# Altium PCB PCB.PcbDoc (part 2 of 4) (continued)
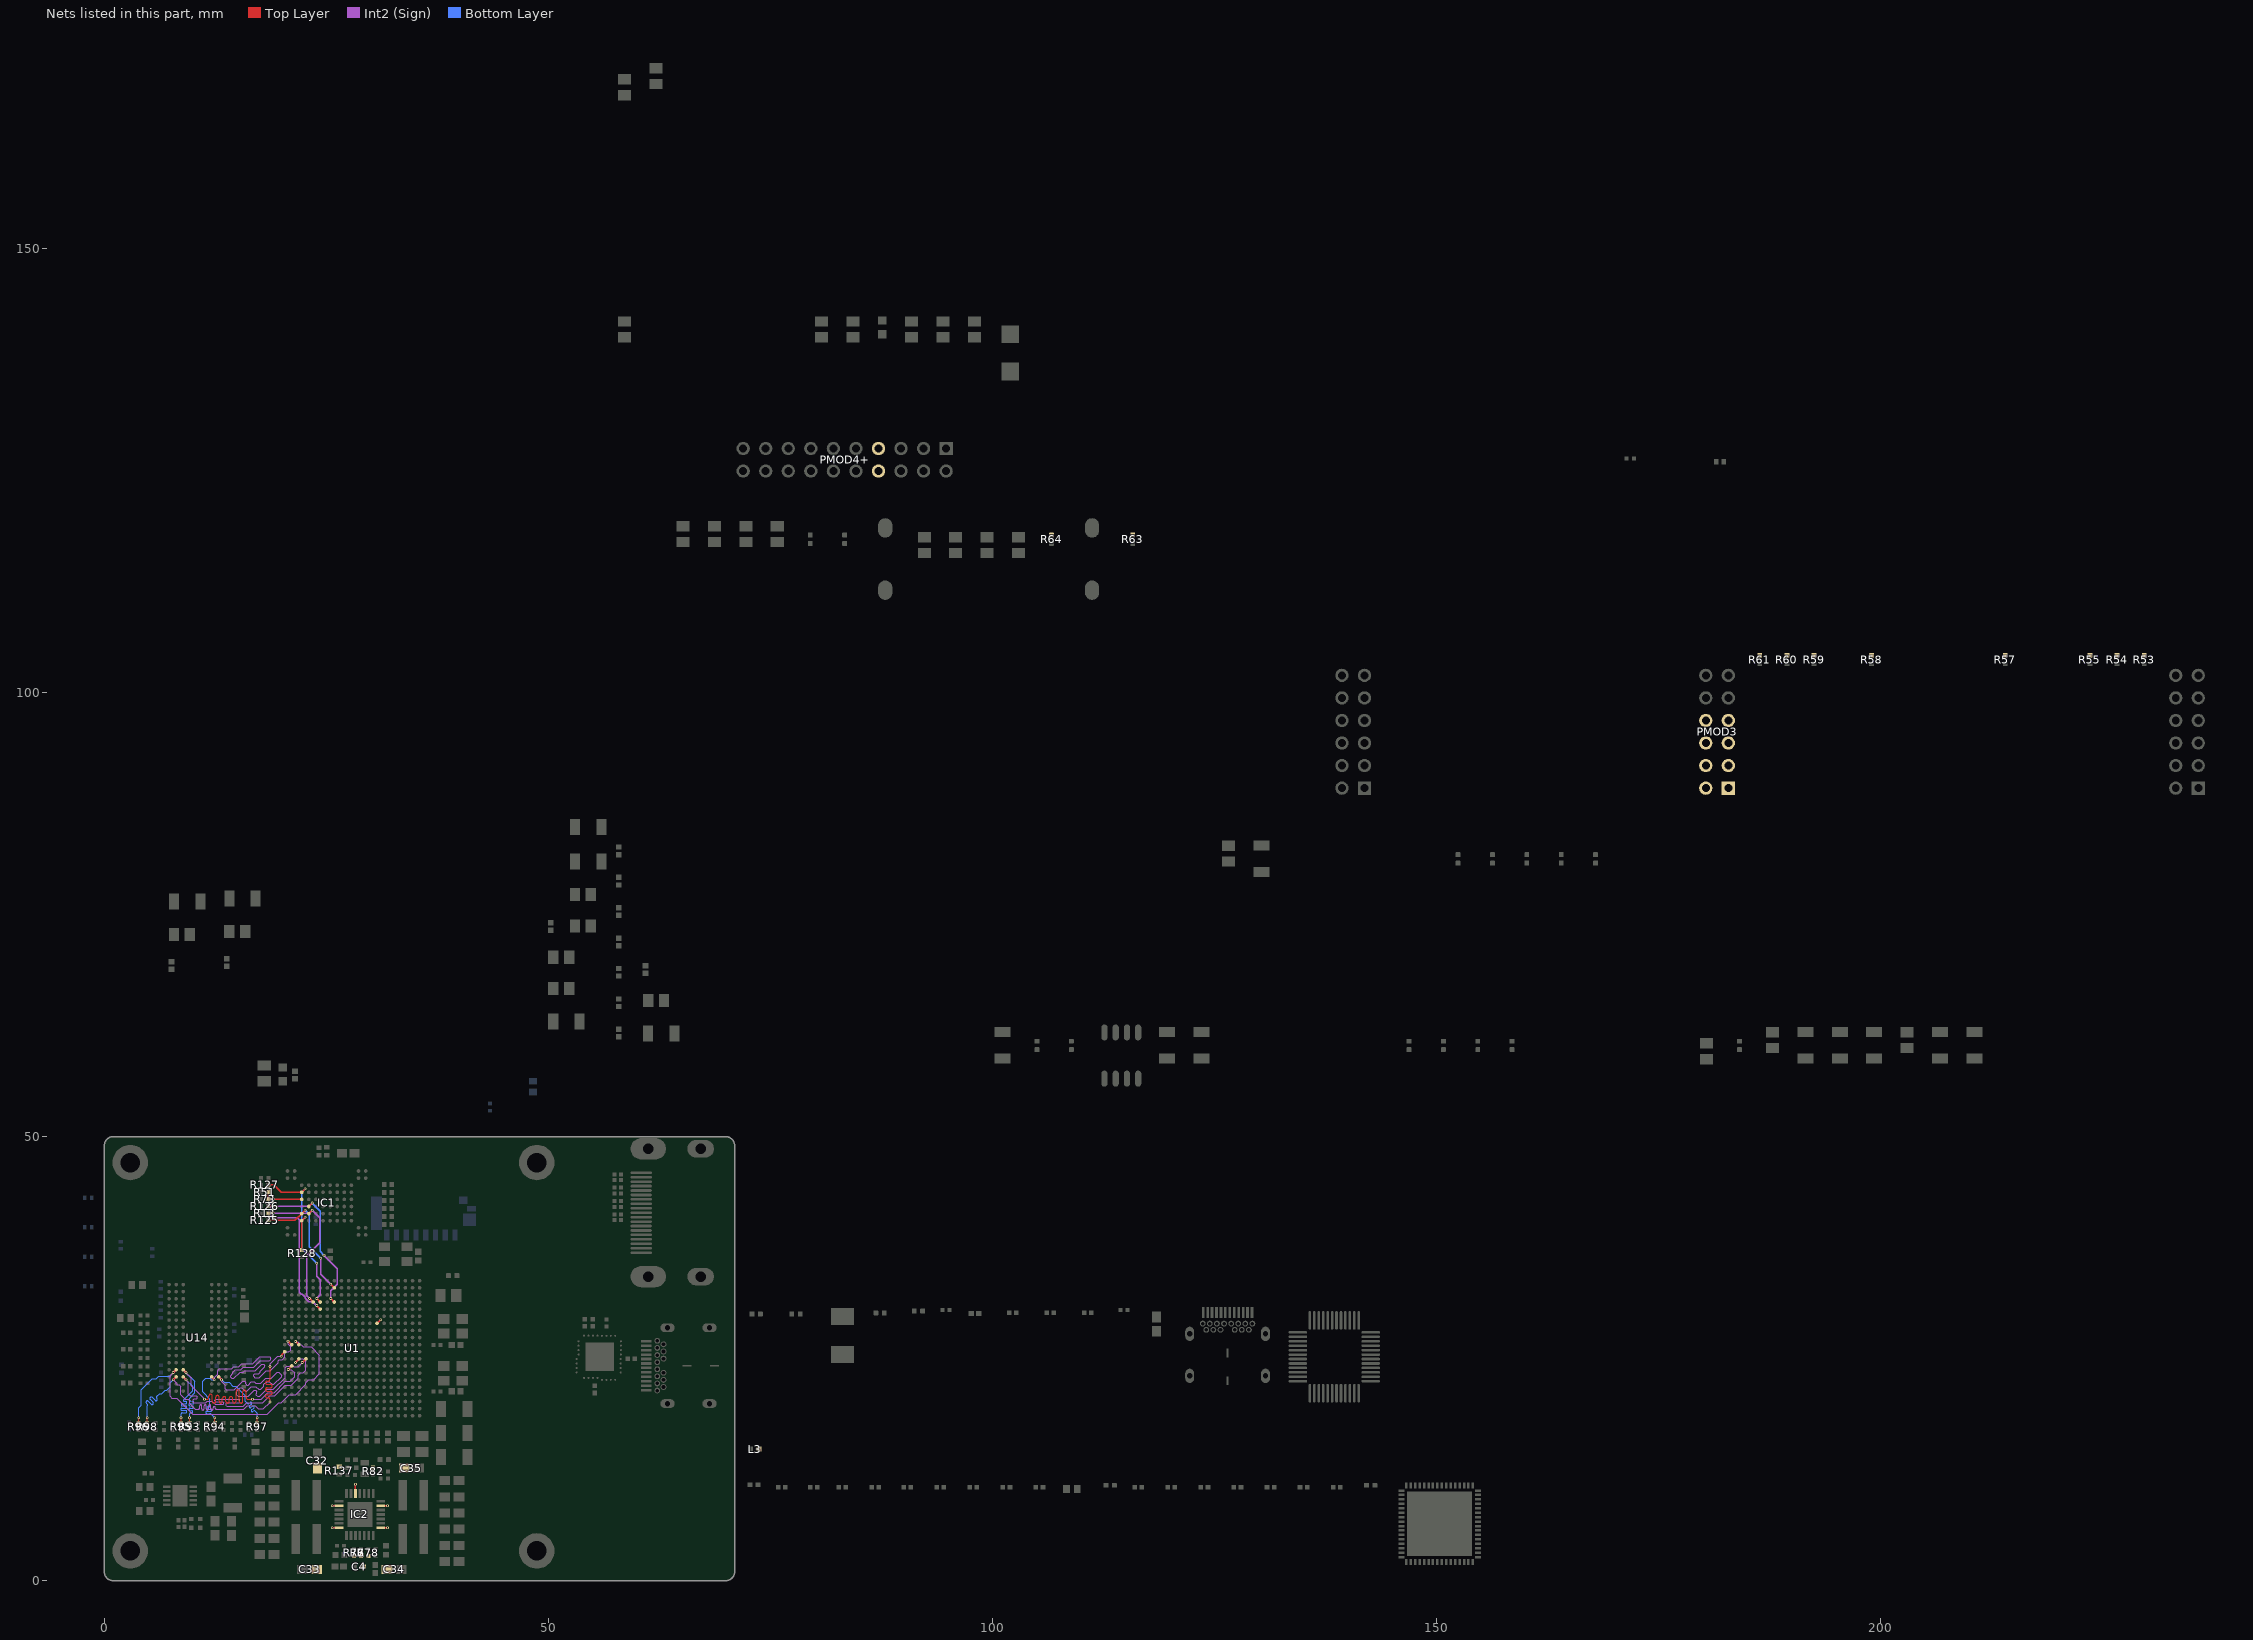
[diagram p6: the nets of this part, all layers, seen from the top]
## Part data (continued)
C40 C42: library part "0805 1nF (102) 10% 50V", "贴片电容", Package=0805, SuppliersPartNumber=C51210, ComponentLink1Description=供应商链接, ComponentLink1URL=http://www.szlcsc.com/product/details_52223.html, Supplier=LC
C41 C84: library part "0603 10uF (106) 10% 10V", "贴片电容", Package=0603, SuppliersPartNumber=C19702, ComponentLink1Description=供应商链接, ComponentLink1URL=http://www.szlcsc.com/product/details_20411.html, Supplier=LC
C43 C53 C54 C61 C62 C67 C68 C69 C82: library part "1206 10uF (106) 10% 50V", "贴片电容", Package=1206, SuppliersPartNumber=C13585, ComponentLink1Description=供应商链接, ComponentLink1URL=http://www.szlcsc.com/product/details_14236.html, Supplier=LC
C44 C45 C52 C55 C60 C63 C66 C70 C71 C80 C81: library part "0805 4.7uF (475) 10% 25V", "贴片电容", Package=0805, SuppliersPartNumber=C1779, ComponentLink1Description=供应商链接, ComponentLink1URL=http://www.szlcsc.com/product/details_2131.html, Supplier=LC
C46 C47 C48 C49 C51 C56 C57 C58 C59 C64 C65 C72 C73 C74 C75 C76 C77 C78 C79 C83: library part "0402 470nF (474) 10% 10V", "贴片电容", Package=0402, SuppliersPartNumber=C47339, ComponentLink1Description=供应商链接, ComponentLink1URL=http://www.szlcsc.com/product/details_48344.html, Supplier=LC
C85 C96 C97 C118 C119: library part CMP-2100-03592-2, "CAP CER 10000PF 50V X7R 0402", Capacitance="10 nF", Case Code (Imperial)=0402, Case Code (Metric)=1005, Dielectric=X7R, Manufacturer=YAGEO, Max Operating Temperature=125°C, Min Operating Temperature=-55°C, Package=CC0402, Package Quantity=1, Supplier Part Number 1=8570871, Temperature="-55°C to +125°C", Temperature Coefficient=30ppm/°C, Temperature Range High=+125°C, Tolerance=0.1, Voltage=50V, Voltage Rating="50 V", Automotive=No, Automotive Grade=NA, Case/Package=0402, Category=Cap, ComponentLink2Description=Datasheet, ComponentLink2URL=http://www.yageo.com/documents/recent/UPY-GP_NP0_16V-to-50V_16.pdf, Depth=0.5mm, Device Class L1="Passive Components", Device Class L2=Capacitors, Device Class L3="Ceramic Capacitors", Digikey Description="CAP CER 10000PF 50V X7R 0402", Footprint Url=http://www.yageo.com/exep/pages/download/literatures/UPY-C_GEN_24.pdf, Halogen Free="Halogen Free", Height=0.55mm, ipc land pattern name=CAPC10050X50, Lead Free=Yes, Length=1mm, Manufacturer Part Number=CC0402KRX7R9BB103, Material=Ceramic, Mounting Technology="Surface Mount", Mouser Description="0402 10 nF 50 V ±10 % Tolerance X7R SMT Multilayer Ceramic Capacitor", Octopart=https://octopart.com/cc0402krx7r9bb103-yageo-8376513, Packaging="Tape and Reel", Pricing 1="10000=0.0022, 40000=0.002, 150000=0.0019, 200000=0.0019, 400000=0.0019, 1000000=0.0017, 1250000=0.0017 (USD)", Radiation Hardening=No, Reach SVHC Compliant=No, RoHS=TRUE, RoHS Compliant=Yes, Series=CC, Stock 1=37020000, Supplier 1="Future Electronics", Temperature Characteristic=X7R, Temperature Range Low=-55°C, Termination=SMD/SMT, Thickness=0.022inch, Voltage Rating (DC)=50V, Width=0.02inch
C90: library part CMP-2008-02637-2, "General Purpose Ceramic Capacitor, 0402, 33pF, 5%, C0G, 30ppm/°C, 50V", Capacitance=33pF, Case Code (Imperial)=0402, Case Code (Metric)=1005, Dielectric=C0G, Insulation Resistance=100GR, Manufacturer="Kyocera AVX", Max Operating Temperature=125°C, Min Operating Temperature=-55°C, Package Quantity=1, Temperature Coefficient=30ppm/°C, Tolerance=5%, Voltage=50V, Case/Package=0402, Category="Ceramic Capacitors", Construction=Flat, Contact Plating=Tin, Depth=0.5mm, Height=0.5mm, Lead Free="Lead Free", Length=1mm, Manufacturer Part Number=04025A330JAT2A, Mount="Surface Mount", Mounting Technology="Surface Mount,PCB", Number of Pins=2, Packaging="Tape and Reel", Pins=2, Pricing 1="10000=0.004, 20000=0.003, 50000=0.0029, 100000=0.0026 (USD)", Radiation Hardening=No, REACH SVHC="No SVHC", Reach SVHC Compliant=No, RoHS=Yes, RoHS Compliant=Yes, Series=-, Stock 1=960000, Supplier 1="Arrow Electronics", Supplier Part Number 1=04025A330JAT2A, Termination=SMD/SMT, Thickness=0.022inch, Voltage Rating=50V, Voltage Rating (DC)=50V, Width=0.5mm
C94: library part CMP-2008-02607-1, Case Code (Imperial)=0402, Case Code (Metric)=1005, Dielectric=C0G, Manufacturer="AVX Interconnect / Elco", Max Operating Temperature=125°C, Min Operating Temperature=-55°C, Package Quantity=1, Temperature Coefficient=0ppm/°C, Tolerance=5%, Voltage Rating=50V, Case/Package=0402, Category="Ceramic Capacitors", ComponentLink1Description=https://datasheet.ciiva.com/1123/425357-1123584.pdf?src-supplier=Element14, ComponentLink1URL=https://datasheet.ciiva.com/1123/425357-1123584.pdf?src-supplier=Element14, ComponentLink2Description=https://datasheet.ciiva.com/151/ccog-151792.pdf?src-supplier=Digi-Key, ComponentLink2URL=https://datasheet.ciiva.com/151/ccog-151792.pdf?src-supplier=Digi-Key, ComponentLink3Description=https://datasheet.ciiva.com/151/ccog-151793.pdf?src-supplier=Digi-Key, ComponentLink3URL=https://datasheet.ciiva.com/151/ccog-151793.pdf?src-supplier=Digi-Key, ComponentLink4Description=https://datasheet.ciiva.com/151/ccog-151794.pdf?src-supplier=Digi-Key, ComponentLink4URL=https://datasheet.ciiva.com/151/ccog-151794.pdf?src-supplier=Digi-Key, ComponentLink5Description=https://datasheet.ciiva.com/1123/425357-1123538.pdf?src-supplier=Element14, ComponentLink5URL=https://datasheet.ciiva.com/1123/425357-1123538.pdf?src-supplier=Element14, ComponentLink6Description=https://datasheet.ciiva.com/11499/ccog-11499726.pdf?src-supplier=Avnet, ComponentLink6URL=https://datasheet.ciiva.com/11499/ccog-11499726.pdf?src-supplier=Avnet, ComponentLink7Description=https://datasheet.ciiva.com/11568/ccog-11568334.pdf?src-supplier=Avnet, ComponentLink7URL=https://datasheet.ciiva.com/11568/ccog-11568334.pdf?src-supplier=Avnet, ComponentLink8Description=https://datasheet.ciiva.com/7709/84496-7709759.pdf?src-supplier=Element14, ComponentLink8URL=https://datasheet.ciiva.com/7709/84496-7709759.pdf?src-supplier=Element14, Construction=Flat, Depth=0.5mm, Length=1mm, Manufacturer Part Number=04025A200JAT2A, Mounting Technology="Surface Mount", Packaging="Tape and Reel", Part Number=04025A200JAT2A, Pins=2, Pricing 1="1=0.167, 10=0.1274, 25=0.1157, 100=0.0796, 250=0.0494 (USD)", Radiation Hardening=No, Reach SVHC Compliant=No, RoHS=Yes, RoHS Compliant=Yes, Series=-, Stock 1=250, Supplier 1="Arrow Electronics", Supplier Part Number 1=04025A200JAT2A, Termination=SMD/SMT, Thickness=0.022inch, Voltage Rating (DC)=50V, Width=0.02inch
C113: library part CMP-2000-05259-2, "CAP CER 100UF 6.3V X5R 1210", 3DS Part Number=220-00002, Capacitance=100uF, Case Code (Imperial)=1210, Case Code (Metric)=3225, Dielectric=X5R, Manufacturer=Murata, Max Operating Temperature=85°C, Min Operating Temperature=-55°C, Package=GRM32-0.3, Package Quantity=1, Temperature="-55°C to +85°C", Temperature Coefficient=15%, Temperature Range High=+85°C, Tolerance=20%, Voltage=6.3V, Automotive=No, Case/Package=1210, Category=Cap, ComponentLink1Description=https://datasheet.ciiva.com/11786/0900766b80a008dd-11786740.pdf?src-supplier=Rs, ComponentLink1URL=https://datasheet.ciiva.com/11786/0900766b80a008dd-11786740.pdf?src-supplier=Rs, ComponentLink2Description=Datasheet, ComponentLink2URL=https://search.murata.co.jp/Ceramy/image/img/A01X/G101/ENG/GRM32ER60J107ME20-01.pdf, ComponentLink3Description=https://datasheet.ciiva.com/143/product-143008.pdf?src-supplier=Digi-Key, ComponentLink3URL=https://datasheet.ciiva.com/143/product-143008.pdf?src-supplier=Digi-Key, ComponentLink4Description=https://datasheet.ciiva.com/29202/451200-da-01-de-vs-chip-kond-1210-100-0-uf-20pr-6-3v-x5r-29202492.pdf?src-supplier=Conrad, ComponentLink4URL=https://datasheet.ciiva.com/29202/451200-da-01-de-vs-chip-kond-1210-100-0-uf-20pr-6-3v-x5r-29202492.pdf?src-supplier=Conrad, ComponentLink5Description=https://datasheet.ciiva.com/29199/455114-da-01-en-vs-kondensator-1210-29199468.pdf?src-supplier=Conrad, ComponentLink5URL=https://datasheet.ciiva.com/29199/455114-da-01-en-vs-kondensator-1210-29199468.pdf?src-supplier=Conrad, ComponentLink6Description=https://datasheet.ciiva.com/7719/608985-7719180.pdf?src-supplier=Element14, ComponentLink6URL=https://datasheet.ciiva.com/7719/608985-7719180.pdf?src-supplier=Element14, ComponentLink7Description=https://datasheet.ciiva.com/22706/608985-22706869.pdf?src-supplier=Element14, ComponentLink7URL=https://datasheet.ciiva.com/22706/608985-22706869.pdf?src-supplier=Element14, ComponentLink8Description=https://datasheet.ciiva.com/143/product-143009.pdf?src-supplier=Digi-Key, ComponentLink8URL=https://datasheet.ciiva.com/143/product-143009.pdf?src-supplier=Digi-Key, ComponentLink9Description=https://datasheet.ciiva.com/143/product-143010.pdf?src-supplier=Digi-Key, ComponentLink9URL=https://datasheet.ciiva.com/143/product-143010.pdf?src-supplier=Digi-Key, ComponentLink10Description=https://datasheet.ciiva.com/16292/l0005e-16292718.pdf?src-supplier=Future+Electronics, ComponentLink10URL=https://datasheet.ciiva.com/16292/l0005e-16292718.pdf?src-supplier=Future+Electronics, Depth=2.5mm, Device Class L1="Passive Components", Device Class L2=Capacitors, Device Class L3="Ceramic Capacitors", Digikey Description="CAP CER 100UF 6.3V X5R 1210", Height=2.7mm, ipc land pattern name=CAPC320250X250, Lead Free=Yes, Length=3.2mm, Manufacturer Part Number=GRM32ER60J107ME20L, Material=Ceramic, Mounting Technology="Surface Mount", Octopart=https://octopart.com/grm32er60j107me20l-murata-197007, Packaging="Cut Tape", Pins=2, Pricing 1="1000=0.4885 (USD)", Reach SVHC Compliant=No, RoHS=TRUE, RoHS Compliant=Yes, Series=GRM, Stock 1=30420, Supplier 1="Arrow Electronics", Supplier Part Number 1=GRM32ER60J107ME20L, Temperature Characteristic=X5R, Temperature Range Low=-55°C, Termination=SMD/SMT, Thickness=0.106inch, Voltage Rating=6.3V, Voltage Rating (DC)=6.3V, Width=0.098inch
C123 C124 C125 C126 C127 C128 C129 C130 C131 C132 C133 C134 C135 C136 C137 C138 C139: library part CMP-2008-04630-5, "Chip Multilayer Ceramic Capacitors for General Purpose, 0402, 47000pF, X7R, 15%, 10%, 25V", Capacitance=47nF, Case Code (Imperial)=0402, Case Code (Metric)=1005, Dielectric=X7R, Manufacturer=Murata, Max Operating Temperature=125°C, Min Operating Temperature=-55°C, Package Quantity=1, Tolerance=10%, Voltage=25V, Case/Package=0402, Category="Ceramic Capacitors", Construction=Flat, Depth=0.5mm, Height=0.5mm, Lead Free="Lead Free", Length=1mm, Manufacturer Part Number=GRM155R71E473KA88D, Material=Ceramic, Mount="Surface Mount", Mounting Technology="Surface Mount", Number of Pins=2, Packaging="Tape and Reel", Pins=2, Pricing 1="10000=0.0049 (USD)", Radiation Hardening=No, REACH SVHC="No SVHC", Reach SVHC Compliant=No, RoHS=Yes, RoHS Compliant=Yes, Series=GRM, Stock 1=2930000, Supplier 1="Arrow Electronics", Supplier Part Number 1=GRM155R71E473KA88D, Termination=SMD/SMT, Thickness=0.022inch, Voltage Rating=25V, Voltage Rating (DC)=25V, Width=0.02inch
C142 C150 C151: library part Cap_15pF_50V_0402, "0402 15 pF 50 V ±5 % Tolerance NP0 SMT Multilayer Ceramic Capacitor", Case Code (Imperial)=0402, Case Code (Metric)=1005, Dielectric=C0G, Dielectric Material=Ceramic, Insulation Resistance=100GR, Manufacturer=Yageo, Manufacturer Part Number=CC0402JRNPO9BN150, Max Operating Temperature=125°C, Min Operating Temperature=-55°C, Package Quantity=1, Supplier Part Number 1=603-CC402JRNPO9BN150, Tolerance=5%, Voltage=50V, Capacitance=15pF, Case/Package=0402, Category="Ceramic Capacitors", Component Type=Generic, ComponentLink1Description=https://datasheet.ciiva.com/5789/1443161-5789504.pdf?src-supplier=Farnell, ComponentLink1URL=https://datasheet.ciiva.com/5789/1443161-5789504.pdf?src-supplier=Farnell, ComponentLink2Description=https://datasheet.ciiva.com/26862/getdatasheetpartid-403449-26862595.pdf?src-supplier=Verical, ComponentLink2URL=https://datasheet.ciiva.com/26862/getdatasheetpartid-403449-26862595.pdf?src-supplier=Verical, ComponentLink3Description=https://datasheet.ciiva.com/144/mlccorderingcode-144002.pdf?src-supplier=Digi-Key, ComponentLink3URL=https://datasheet.ciiva.com/144/mlccorderingcode-144002.pdf?src-supplier=Digi-Key, ComponentLink4Description=https://datasheet.ciiva.com/144/mlccorderingcode-144001.pdf?src-supplier=Digi-Key, ComponentLink4URL=https://datasheet.ciiva.com/144/mlccorderingcode-144001.pdf?src-supplier=Digi-Key, ComponentLink5Description=https://datasheet.ciiva.com/144/mlccorderingcode-144003.pdf?src-supplier=Digi-Key, ComponentLink5URL=https://datasheet.ciiva.com/144/mlccorderingcode-144003.pdf?src-supplier=Digi-Key, ComponentLink6Description=https://datasheet.ciiva.com/13386/upy-gp-np0-16v-to-50v-8-13386330.pdf?src-supplier=Mouser, ComponentLink6URL=https://datasheet.ciiva.com/13386/upy-gp-np0-16v-to-50v-8-13386330.pdf?src-supplier=Mouser, ComponentLink7Description=https://datasheet.ciiva.com/11587/upy-gp-np0-16v-to-50v-8-11587085.pdf?src-supplier=Avnet, ComponentLink7URL=https://datasheet.ciiva.com/11587/upy-gp-np0-16v-to-50v-8-11587085.pdf?src-supplier=Avnet, Depth=0.5mm, Height=0.5mm, Lead Free="Lead Free", Length=1mm, Manufacturer 1=Yageo, Manufacturer Part Number 1=CC0402JRNPO9BN150, Mounting Technology="Surface Mount", Packaging="Tape and Reel", Part Number=CC0402JRNPO9BN150, Pins=2, Pricing 1="1=0.10000, 10=0.01300, 50=0.01300, 100=0.01100, 1000=0.00600, 10000=0.00400 (USD)", Pricing 2="1=0.10000, 10=0.02400, 50=0.01300, 100=0.01070, 500=0.00764, 1000=0.00600, 2500=0.00546, 5000=0.00502 (USD)", Pricing 3="10=0.01300, 100=0.01100, 500=0.00600, 2500=0.00550, 5000=0.00500, 10000=0.00400, 50000=0.00390 (EUR)", Radiation Hardening=No, Reach SVHC Compliant=Yes, Resistor Type=Ceramic, RoHS=Yes, RoHS Compliant=Yes, Series=CC, Stock 1=256699, Stock 2=1634123, Stock 3=1588454, Supplier 1=Mouser, Supplier 2=Digi-Key, Supplier 3=Farnell, Supplier Part Number 2=311-1017-1-ND, Supplier Part Number 3=3019172, Termination=SMD/SMT, Thickness=0.022inch, Voltage Rating=50V, Voltage Rating (DC)=50V, Width=0.02inch
D1 D2 LED0 LED1 LED2 LED3: library part "0805 翠绿", "发光二极管", Package=0805, SuppliersPartNumber=C2297, ComponentLink1Description=供应商链接, ComponentLink1URL=http://www.szlcsc.com/product/details_2670.html, Supplier=LC
D5: library part "SMA(DO-214AC) SS210", "二极管 TVS", Package=SMA(DO-214AC), SuppliersPartNumber=C14996, ComponentLink1Description=供应商链接, ComponentLink1URL=http://www.szlcsc.com/product/details_15669.html, Supplier=LC
FB1 FB2 FB3: library part "0805 600Ω 25% 100MHz", "贴片磁珠", Package=0805, SuppliersPartNumber=C1017, ComponentLink1Description=供应商链接, ComponentLink1URL=http://www.szlcsc.com/product/details_1369.html, Supplier=LC
HDMI: library part CONN_HDMI_A, "CONN, HDMI, Receptacle, TYPE A, 19P, RIGH-ANGLE", MANF="Molex, WURTH", MANF_P#="47151-0001, 500254-1927, 685119134923", PARAM="Receptacle, 19P, RIGH-ANGLE", Price=2.57$
IC1: "IC FLASH NAND 8GB 63VFBGA", Arrow Part Number=MT29F8G08ADADAH4-IT:D, Case/Package=VFBGA, Manufacturer="Micron Technology", Manufacturer_Name=Micron, Max Operating Temperature=85°C, Max Supply Voltage=3.6V, Min Operating Temperature=-40°C, Min Supply Voltage=2.7V, Mouser Part Number=340-112428-TRAY, Operating Supply Voltage=3.3V, Package Quantity=1000, Supply Current=35mA, Access Time-Max=25ns, Address Bus Width=1b, Arrow Price/Stock=https://www.arrow.com/en/products/mt29f8g08adadah4-itd/micron-technology, Category=Flash, ComponentLink1Description=http://components.arrow.com/part/dataview/50637507S8848452N2596?src-supplier=Arrow+Electronics, ComponentLink1URL=http://components.arrow.com/part/dataview/50637507S8848452N2596?src-supplier=Arrow+Electronics, ComponentLink2Description=https://www.verical.com/server-webapp/html/getDatasheet?partID=338141&src-supplier=Verical, ComponentLink2URL=https://www.verical.com/server-webapp/html/getDatasheet?partID=338141&src-supplier=Verical, Datasheet Link=https://www.mouser.co.uk/datasheet/2/671/micron_technology_micts06228-1-1759217.pdf, Density=8Gb, Height=1mm, Interface=Parallel, Lead Free="Lead Free", Manufacturer Part Number=MT29F8G08ADADAH4-IT:D, Manufacturer_Part_Number=MT29F8G08ADADAH4-IT:D, Memory Format="FLASH,NAND,SLC NAND", Memory Size=1000000000B, Mounting Technology="Surface Mount", Mouser Price/Stock=https://www.mouser.co.uk/ProductDetail/Micron/MT29F8G08ADADAH4-ITD?qs=rrS6PyfT74eZPKUjEpJhBg%3D%3D, Packaging=Bulk, Page Size=2KB, Pins=63, Pricing 1="1=13.1, 10=12.13, 50=10.38, 100=9.87, 1000=9.77, 10000=9.77 (USD)", Radiation Hardening=No, RoHS=Yes, RoHS Compliant=Yes, Series=-, Stock 1=2500, Supplier 1=Mouser, Supplier Part Number 1=340-112428-TRAY, Sync/Async=Asynchronous, Word Size=8b
IC2: "DC to DC Converter Quad Step-Down 3V to 5.5V Automotive 28-Pin TQFN Tube", Arrow Part Number=MAX20029ATIF/V+, Manufacturer=Maxim, Manufacturer_Name="Analog Devices", Mouser Part Number=700-MAX20029ATIF/V+, Supplier Part Number 1=175-MAX20029ATIF/V+-ND, Arrow Price/Stock=https://www.arrow.com/en/products/max20029atifv/maxim-integrated?region=nac, Category="Voltage Regulators - Switching", Datasheet Link=https://datasheets.maximintegrated.com/en/ds/MAX20029-MAX20029D.pdf, Height=0.8mm, Manufacturer Part Number=MAX20029ATIF/V+, Manufacturer_Part_Number=MAX20029ATIF/V+, Mouser Price/Stock=https://www.mouser.co.uk/ProductDetail/Maxim-Integrated/MAX20029ATIF-V%2b?qs=uwxL4vQweFOl5TBKmLtmFg%3D%3D, Pricing 1="1=3.98, 10=3.57, 25=3.3752, 100=2.925, 250=2.775, 500=2.49, 1000=2.25 (USD)", RoHS=Yes, Supplier 1=Digi-Key
J1: "1.10mm Pitch microSD Card Header with Detect Pin Height 2.85mm Lead-Free Gold (Au) Plated 0.762", Manufacturer=Molex, Mouser Part Number=538-47309-2285, Category="Memory Connectors", Datasheet Link=https://www.molex.com/pdm_docs/sd/473092285_sd.pdf, Height=2.85mm, Manufacturer Part Number=47309-2285, Manufacturer_Name=Molex, Manufacturer_Part_Number=47309-2285, Mouser Price/Stock=https://www.mouser.co.uk/ProductDetail/Molex/47309-2285?qs=yd8XiKYcH9k6mrof3cUHRA%3D%3D, Pricing 1="1=2.29, 10=1.83, 50=1.83, 100=1.64, 1000=1.64, 10000=1.12 (USD)", RoHS=Yes, Stock 1=8870, Supplier 1=Mouser, Supplier Part Number 1=538-47309-2285
J2 J5: library part CMP-1502-03213-1, "USB 3.1 Type C Receptacle WR-COM, Horizontal, SMT / THT", Contact Resistance=30mOhm, Manufacturer="Wurth Elektronik", Operating Temperature=-40to105degC, Rated Current=5A, Working Voltage=20VDC, Connector Type=USB3.1TypeC, Datasheet URL=https://katalog.we-online.de/em/datasheet/632723x00011%282%29.pdf, Gender=Receptacle, Manufacturer URL=http://www.we-online.de, Mounting Technology=SMT/THT, Orientation=Horizontal, Package Reference=632723100011, Packaging=TapeandReel, Part Number=632723100011, Publisher=WurthElektronik
L1 L2 L3: library part "Ferrite Bead_ 0402_120R_100MHz_2A", "Ferrite Beads Multi-Layer 120Ohm 25% 100MHz 2A 0.055Ohm DCR 0402 T/R", Case Code (Imperial)=0402, Case Code (Metric)=1005, Current Rating=2A, DC Resistance (DCR)=55mR, Manufacturer 1=Murata, Manufacturer Part Number 1=BLM15PX121SN1D, Max Operating Temperature=125°C, Min Operating Temperature=-55°C, Package Quantity=10000, Supplier Part Number 1=81-BLM15PX121SN1D, Test Frequency=100MHz, Tolerance=25%, Case/Package=0402, Category=Inductors, Component Type=Generic, ComponentLink1Description=https://datasheet.ciiva.com/41449/001172210-da-01-en-drossel-0402-120r-1-0x0-5mm-10000st-41449498.pdf?src-supplier=Conrad, ComponentLink1URL=https://datasheet.ciiva.com/41449/001172210-da-01-en-drossel-0402-120r-1-0x0-5mm-10000st-41449498.pdf?src-supplier=Conrad, ComponentLink2Description=https://datasheet.ciiva.com/41860/l0110e-41860699.pdf?src-supplier=Digi-Key, ComponentLink2URL=https://datasheet.ciiva.com/41860/l0110e-41860699.pdf?src-supplier=Digi-Key, ComponentLink3Description=https://datasheet.ciiva.com/29364/l0110e-29364069.pdf?src-supplier=Digi-Key, ComponentLink3URL=https://datasheet.ciiva.com/29364/l0110e-29364069.pdf?src-supplier=Digi-Key, Height=0.5mm, Impedance=120R, Lead Free="Lead Free", Length=1mm, Material=Steel, Max Current Rating=2A, Max DC Current=2A, Number of Circuits=1, Number of Lines=1, Number of Pins=2, Packaging="Tape and Reel", Part Number=BLM15PX121SN1D, Pricing 1="10000=0.02260, 20000=0.02070, 30000=0.02030, 50000=0.02000 (USD)", Pricing 2="1=0.10000, 10=0.05600, 50=0.05600, 100=0.03800, 500=0.03200, 1000=0.02700, 2500=0.02600, 5000=0.02400, 10000=0.02300, 20000=0.02100 (USD)", Pricing 3="1=0.10000, 10=0.08400, 25=0.07560, 50=0.05540, 100=0.04790, 250=0.03780, 500=0.03192, 1000=0.02688, 5000=0.02394 (USD)", REACH SVHC="No SVHC", RoHS=Yes, RoHS Compliant=Yes, Series="EMIFIL®, BLM15P", Stock 1=80000, Stock 2=723874, Stock 3=1310967, Supplier 1=Mouser, Supplier 2=Digi-Key, Supplier 3="Arrow Electronics", Supplier Part Number 2=490-9656-1-ND, Supplier Part Number 3=BLM15PX121SN1D, Termination=SMD/SMT, Weight=2.3E-05oz, Width=0.5mm
L5 L6 L7 L8: library part CMP-11268-000146-1, "SHIELDED POWER INDUCTORS, 1.5UH"
M1 M2 M3 M4: library part SCMH_M2, "SCREW mouting, M2, 2.0mm diameter and 4.0mm PanHead", Assembly=DNP
PMOD1 PMOD2 PMOD3: "Header, 6-Pin, Dual row", LatestRevisionDate=17-Jul-2002, LatestRevisionNote="Re-released for DXP Platform.", Publisher="Altium Limited"
PMOD4+: "Header, 10-Pin, Dual row", LatestRevisionDate=17-Jul-2002, LatestRevisionNote="Re-released for DXP Platform.", Publisher="Altium Limited"
R1 R56 R62: library part CMP-2002-01146-1, Case Code (Imperial)=0402, Case Code (Metric)=1005, Manufacturer=Panasonic, Manufacturer Part Number=ERJ-2RKF33R0X, Max Operating Temperature=155°C, Max Power Dissipation=100mW, Min Operating Temperature=-55°C, Package Quantity=1, Resistance Tolerance=1%, Resistor Type="Thick Film", Supplier Part Number 1=667-ERJ-2RKF33R0X, Temperature Coefficient=100ppm/°C, Voltage Rating=50V, Case/Package=0402, Category="Chip SMD Resistors", ComponentLink1Description=https://datasheet.ciiva.com/11821/0900766b80f80784-11821292.pdf?src-supplier=Rs, ComponentLink1URL=https://datasheet.ciiva.com/11821/0900766b80f80784-11821292.pdf?src-supplier=Rs, ComponentLink2Description=https://datasheet.ciiva.com/5917/aoa0000ce2-5917817.pdf?src-supplier=Farnell, ComponentLink2URL=https://datasheet.ciiva.com/5917/aoa0000ce2-5917817.pdf?src-supplier=Farnell, ComponentLink3Description=https://datasheet.ciiva.com/7836/aoa0000ce2-7836490.pdf?src-supplier=Element14, ComponentLink3URL=https://datasheet.ciiva.com/7836/aoa0000ce2-7836490.pdf?src-supplier=Element14, ComponentLink4Description=https://datasheet.ciiva.com/7836/426256-7836813.pdf?src-supplier=Element14, ComponentLink4URL=https://datasheet.ciiva.com/7836/426256-7836813.pdf?src-supplier=Element14, ComponentLink5Description=https://datasheet.ciiva.com/43467/1678782-43467173.pdf?src-supplier=Farnell, ComponentLink5URL=https://datasheet.ciiva.com/43467/1678782-43467173.pdf?src-supplier=Farnell, ComponentLink6Description=https://datasheet.ciiva.com/46373/1678782-46373081.pdf?src-supplier=Element14, ComponentLink6URL=https://datasheet.ciiva.com/46373/1678782-46373081.pdf?src-supplier=Element14, ComponentLink7Description=https://datasheet.ciiva.com/46373/1678782-46373082.pdf?src-supplier=Element14, ComponentLink7URL=https://datasheet.ciiva.com/46373/1678782-46373082.pdf?src-supplier=Element14, ComponentLink8Description=https://datasheet.ciiva.com/24023/aoa0000ce2-24023999.pdf?src-supplier=Mouser, ComponentLink8URL=https://datasheet.ciiva.com/24023/aoa0000ce2-24023999.pdf?src-supplier=Mouser, ComponentLink9Description=https://datasheet.ciiva.com/16777/70260748-16777705.pdf?src-supplier=Allied+Electronics, ComponentLink9URL=https://datasheet.ciiva.com/16777/70260748-16777705.pdf?src-supplier=Allied+Electronics, ComponentLink10Description=https://datasheet.ciiva.com/9190/aoa0000ce2-9190507.pdf?src-supplier=Avnet, ComponentLink10URL=https://datasheet.ciiva.com/9190/aoa0000ce2-9190507.pdf?src-supplier=Avnet, Construction=Rectangular, Contact Plating=Tin, Depth=0.5mm, Features="Automotive AEC-Q200", Height=0.35mm, Lead Free="Lead Free", Length=1mm, Military Standard=Not, Mounting Technology="Surface Mount", Number of Terminations=2, Packaging="Tape and Reel", Part Number=ERJ2RKF33R0X, Pins=2, Power Rating=100mW, Pricing 1="1=0.1, 10=0.018, 50=0.018, 100=0.008, 1000=0.006, 10000=0.004 (USD)", Reach SVHC Compliant=No, RoHS=Yes, RoHS Compliant=Yes, Series=ERJ, Stock 1=1531283, Supplier 1=Mouser, Technology="THICK FILM", Termination=SMD/SMT, Tolerance=1%, Voltage Rating (DC)=50V, Width=0.5mm
R2 R3 R4 R33: library part "1206 100KΩ (1003) 1%", "贴片电阻", Package=1206, SuppliersPartNumber=C17900, ComponentLink1Description=供应商链接, ComponentLink1URL=http://www.szlcsc.com/product/details_18588.html, Supplier=LC
R5 R9: library part "1206 4.7KΩ (4701) 1%", "贴片电阻", Package=1206, SuppliersPartNumber=C17936, ComponentLink1Description=供应商链接, ComponentLink1URL=http://www.szlcsc.com/product/details_18624.html, Supplier=LC
R6 R10 R12 R67 R68 R69 R70: library part "0805 330Ω (3300) 1%", "贴片电阻", Package=0805, SuppliersPartNumber=C17630, ComponentLink1Description=供应商链接, ComponentLink1URL=http://www.szlcsc.com/product/details_18318.html, Supplier=LC
R7 R11: library part CMP-2002-00609-3, "Chip Resistor, 1 MOhm, +/- 1%, 100 mW, -55 to 155 degC, 0402 (1005 Metric), RoHS, Tape and Reel", Case Code (Imperial)=0402, Case Code (Metric)=1005, Manufacturer="Basic Passives", Max Operating Temperature="155 degC", Max Power Dissipation=100mW, Min Operating Temperature="-55 degC", Package Quantity=10000, Power Rating="100 mW", Resistance="1 MOhm", Resistance Tolerance=1%, Resistor Type="Thick Film", Temperature Coefficient=100ppm/°C, Voltage Rating="50 V", Voltage Rating (DC)=50V, Case/Package=0402, Case\/Package=0402, Category="Chip SMD Resistors", ComponentLink1Description="Manufacturer URL", ComponentLink1URL=http://www.panasonic.com/, ComponentLink2Description=Datasheet, ComponentLink2URL=http://industrial.panasonic.com/cdbs/www-data/pdf/RDA0000/AOA0000C86.pdf, Construction=Rectangular, Contact Plating=Tin, DatasheetVersion=04/2015, Depth=0.5mm, Features="Automotive AEC-Q200", Height="0.35 mm", Lead Free="Lead Free", Length="1 mm", Manufacturer Part Number=ERJ-2RKF1004X, Military Standard=Not, Mount="Surface Mount", Mounting Technology="Surface Mount", Number of Terminations=2, PackageDescription="2-Pin Surface Mount Device, Body 1 x 0.5 mm", PackageReference=0402, Packaging="Tape and Reel", PartNumber=ERJ-2RKF1004X, Pins=2, Pricing 1="10000=0.0047, 50000=0.0041, 100000=0.0038 (USD)", Radiation Hardening=No, REACH SVHC=Yes, Reach SVHC Compliant=Yes, RoHS=Yes, RoHS Compliant=Yes, RoHSCompliant=true, Series=ERJ, Stock 1=960000, Supplier 1="Arrow Electronics", Supplier Part Number 1=ERJ-2RKF1004X, Technology="THICK FILM", Termination=SMD/SMT, Tolerance=1%, Weight=2.8E-05oz, Width="0.5 mm", Working Voltage=50V
R8: library part CMP-1011-00510-4, "Chip Resistor, 1 KOhm, +/- 1%, 100 mW, -55 to 155 degC, 0402 (1005 Metric), RoHS, Tape and Reel", Case Code (Imperial)=0402, Case Code (Metric)=1005, Manufacturer="Basic Passives", Max Operating Temperature="155 degC", Max Power Dissipation=100mW, Min Operating Temperature="-55 degC", Package Quantity=10000, Power Rating="100 mW", Resistance="1 KOhm", Resistance Tolerance=1%, Resistor Type="Thick Film", Supplier Part Number 1=667-ERJ-2RKF1001X, Temperature Coefficient=100ppm/°C, Voltage Rating="50 V", Voltage Rating (DC)=50V, Case/Package=0402, Case\/Package=0402, Category="Chip SMD Resistors", ComponentLink1Description="Manufacturer URL", ComponentLink1URL=http://www.panasonic.com/, ComponentLink2Description=Datasheet, ComponentLink2URL=http://industrial.panasonic.com/cdbs/www-data/pdf/RDA0000/AOA0000C86.pdf, Construction=Rectangular, Contact Plating=Tin, DatasheetVersion=04/2015, Depth=0.5mm, Features="Automotive AEC-Q200", Height="0.35 mm", Lead Free="Lead Free", Length="1 mm", Manufacturer Part Number=ERJ-2RKF1001X, Military Standard=Not, Mount="Surface Mount", Mounting Technology="Surface Mount", Number of Terminations=2, PackageDescription="2-Pin Surface Mount Device, Body 1 x 0.5 mm", PackageReference=0402, Packaging="Tape and Reel", PartNumber=ERJ-2RKF1001X, Pins=2, Pricing 1="1=0.1, 10=0.018, 50=0.018, 100=0.008, 1000=0.006, 10000=0.004 (USD)", Radiation Hardening=No, REACH SVHC=Yes, Reach SVHC Compliant=Yes, RoHS=Yes, RoHS Compliant=Yes, RoHSCompliant=true, Series=ERJ, Stock 1=6226220, Supplier 1=Mouser, Technology="THICK FILM", Termination=SMD/SMT, Tolerance=1%, Width="0.5 mm"
R13 R51 R52 R73 R74 R112 R125 R126 R127 R128: library part CMP-2002-01154-4, "Chip Resistor, 4.7 KOhm, +/- 1%, 0.1 W, -55 to 155 degC, 0402 (1005 Metric), RoHS, Tape and Reel", Case Code (Imperial)=0402, Case Code (Metric)=1005, Manufacturer=Panasonic, Max Operating Temperature="155 degC", Min Operating Temperature="-55 degC", Package Quantity=1, Power Rating="100 mW", Resistance="4.7 KOhm", Temperature Coefficient=100ppm/°C, Tolerance=1%, Voltage Rating="50 V", Voltage Rating (DC)=50V, Case\/Package=0402, Category="Chip SMD Resistors", ComponentLink1Description="Manufacturer URL", ComponentLink1URL=http://www.panasonic.com/, ComponentLink2Description=Datasheet, ComponentLink2URL=http://industrial.panasonic.com/cdbs/www-data/pdf/RDA0000/AOA0000C86.pdf, DatasheetVersion=04/2015, Height="0.35 mm", Lead Free="Lead Free", Length="1 mm", Manufacturer Part Number=ERJ-2RKF4701X, Mount="Surface Mount", Mounting Technology="Surface Mount", PackageDescription="2-Pin Surface Mount Device, Body 1 x 0.5 mm", PackageReference=0402, Packaging="Cut Tape", PartNumber=ERJ-2RKF4701X, Pins=2, Pricing 1="10000=0.003, 100000=0.0029 (USD)", Radiation Hardening=No, REACH SVHC=Yes, RoHS=Yes, RoHS Compliant=Yes, RoHSCompliant=true, Series=ERJ-2Rx, Stock 1=1642092, Supplier 1="Arrow Electronics", Supplier Part Number 1=ERJ-2RKF4701X, Technology="THICK FILM", Termination=SMD/SMT, Weight=0.000388oz, Width="0.5 mm"
R14 R63 R64 R65 R66: library part Res_10k_1%_0402, "0402, 10K 1%,  62.5mW, 50V", Manufacturer 1=Bourns, Manufacturer Part Number 1=CR0402-FX-1002GLF, Operating Temperature="-55°C ~ 125°C", Package="0402 (1005 Metric)", Supplier Part Number 1=652-CR0402FX-1002GLF, Temperature Coefficient="100 PPM / C", Tolerance=±1%, Voltage=50V, Component Type=Generic, Mounting Type=SMT, Part Number=CR0402-FX-1002GLF, Resistance="10 kOhms", Supplier 1=Mouser, Supplier 2=DigiKey, Supplier 3=Farnell, Supplier Part Number 2=CR0402-FX-1002GLFCT-ND, Supplier Part Number 3=2333566
R15: library part CMP-1011-00632-4, "Chip Resistor, 12.1 KOhm, +/- 1%, 63 mW, -55 to 155 degC, 0402 (1005 Metric), RoHS, Tape and Reel", Case Code (Imperial)=0402, Case Code (Metric)=1005, Manufacturer="Basic Passives", Max Operating Temperature="155 degC", Max Power Dissipation=63mW, Min Operating Temperature="-55 degC", Package Quantity=10000, Power Rating="63 mW", Ratings=AEC-Q200, Resistance="12.1 KOhm", Resistance Tolerance=1%, Resistor Type="Thick Film", Supplier Part Number 1=71-CRCW0402-12.1K-E3, Temperature Coefficient=100ppm/°C, Voltage Rating="50 V", Voltage Rating (DC)=50V, Case/Package=0402, Case\/Package=0402, Category="Chip SMD Resistors", ComponentLink1Description="Manufacturer URL", ComponentLink1URL=http://www.vishay.com/, ComponentLink2Description=Datasheet, ComponentLink2URL=http://www.vishay.com/docs/20035/dcrcwe3.pdf, ComponentLink3Description=https://datasheet.ciiva.com/11812/0900766b80d98824-11812053.pdf?src-supplier=Rs, ComponentLink3URL=https://datasheet.ciiva.com/11812/0900766b80d98824-11812053.pdf?src-supplier=Rs, ComponentLink4Description=https://datasheet.ciiva.com/2463/dcrcwe3-2463748.pdf?src-supplier=Digi-Key, ComponentLink4URL=https://datasheet.ciiva.com/2463/dcrcwe3-2463748.pdf?src-supplier=Digi-Key, ComponentLink5Description=https://datasheet.ciiva.com/2463/dcrcwe3-2463749.pdf?src-supplier=Digi-Key, ComponentLink5URL=https://datasheet.ciiva.com/2463/dcrcwe3-2463749.pdf?src-supplier=Digi-Key, ComponentLink6Description=https://datasheet.ciiva.com/2463/dcrcwe3-2463750.pdf?src-supplier=Digi-Key, ComponentLink6URL=https://datasheet.ciiva.com/2463/dcrcwe3-2463750.pdf?src-supplier=Digi-Key, ComponentLink7Description=https://datasheet.ciiva.com/5548/dcrcwe3-109170-5548198.pdf?src-supplier=Mouser, ComponentLink7URL=https://datasheet.ciiva.com/5548/dcrcwe3-109170-5548198.pdf?src-supplier=Mouser, ComponentLink8Description=https://datasheet.ciiva.com/3256/dcrcwe3-3256024.pdf?src-supplier=Avnet, ComponentLink8URL=https://datasheet.ciiva.com/3256/dcrcwe3-3256024.pdf?src-supplier=Avnet, ComponentLink9Description=https://datasheet.ciiva.com/3256/dcrcwe3-3256025.pdf?src-supplier=Avnet, ComponentLink9URL=https://datasheet.ciiva.com/3256/dcrcwe3-3256025.pdf?src-supplier=Avnet, ComponentLink10Description=https://datasheet.ciiva.com/16778/70201119-16778523.pdf?src-supplier=Allied+Electronics, ComponentLink10URL=https://datasheet.ciiva.com/16778/70201119-16778523.pdf?src-supplier=Allied+Electronics, ComponentLink11Description=https://datasheet.ciiva.com/16394/dcrcwe3-16394287.pdf?src-supplier=Future+Electronics, ComponentLink11URL=https://datasheet.ciiva.com/16394/dcrcwe3-16394287.pdf?src-supplier=Future+Electronics, Construction=Rectangular, Contact Plating=Tin, DatasheetVersion=06/2012, Depth=0.5mm, Features="Automotive AEC-Q200", Height="0.35 mm", Lead Free="Lead Free", Length="1 mm", Manufacturer Part Number=CRCW040212K1FKED, Military Standard=Not, Mount="Surface Mount", Mounting Technology="Surface Mount", Number of Terminations=2, PackageDescription="2-Pin Surface Mount Device, Body 1 x 0.5 mm", PackageReference=0402, Packaging="Tape and Reel", PartNumber=CRCW040212K1FKED, Pins=2, Pricing 1="1=0.1, 10=0.042, 50=0.042, 100=0.017, 1000=0.008, 10000=0.005 (USD)", Radiation Hardening=No, REACH SVHC=Unknown, Reach SVHC Compliant=Unknown, RoHS=Yes, RoHS Compliant=Yes, RoHSCompliant=true, Series=CRCW, Stock 1=2574, Supplier 1=Mouser, Technology="THICK FILM", Termination=SMD/SMT, Tolerance=1%, Weight=2.3E-05oz, Width="0.5 mm"